# Altium PCB motor_42.PcbDoc
Units mm, origin at the board's own origin, x right, y up, seen from the top; angles counter-clockwise.
Board outline 43.69 x 44.45 mm, 4 copper layers (Top Layer, Signal2, GND3, Bottom Layer), stack 0.603 mm thick; 53 components, 79 nets, 215 pads, 167 vias.
Unrouted connection lines stored in the file: 39.
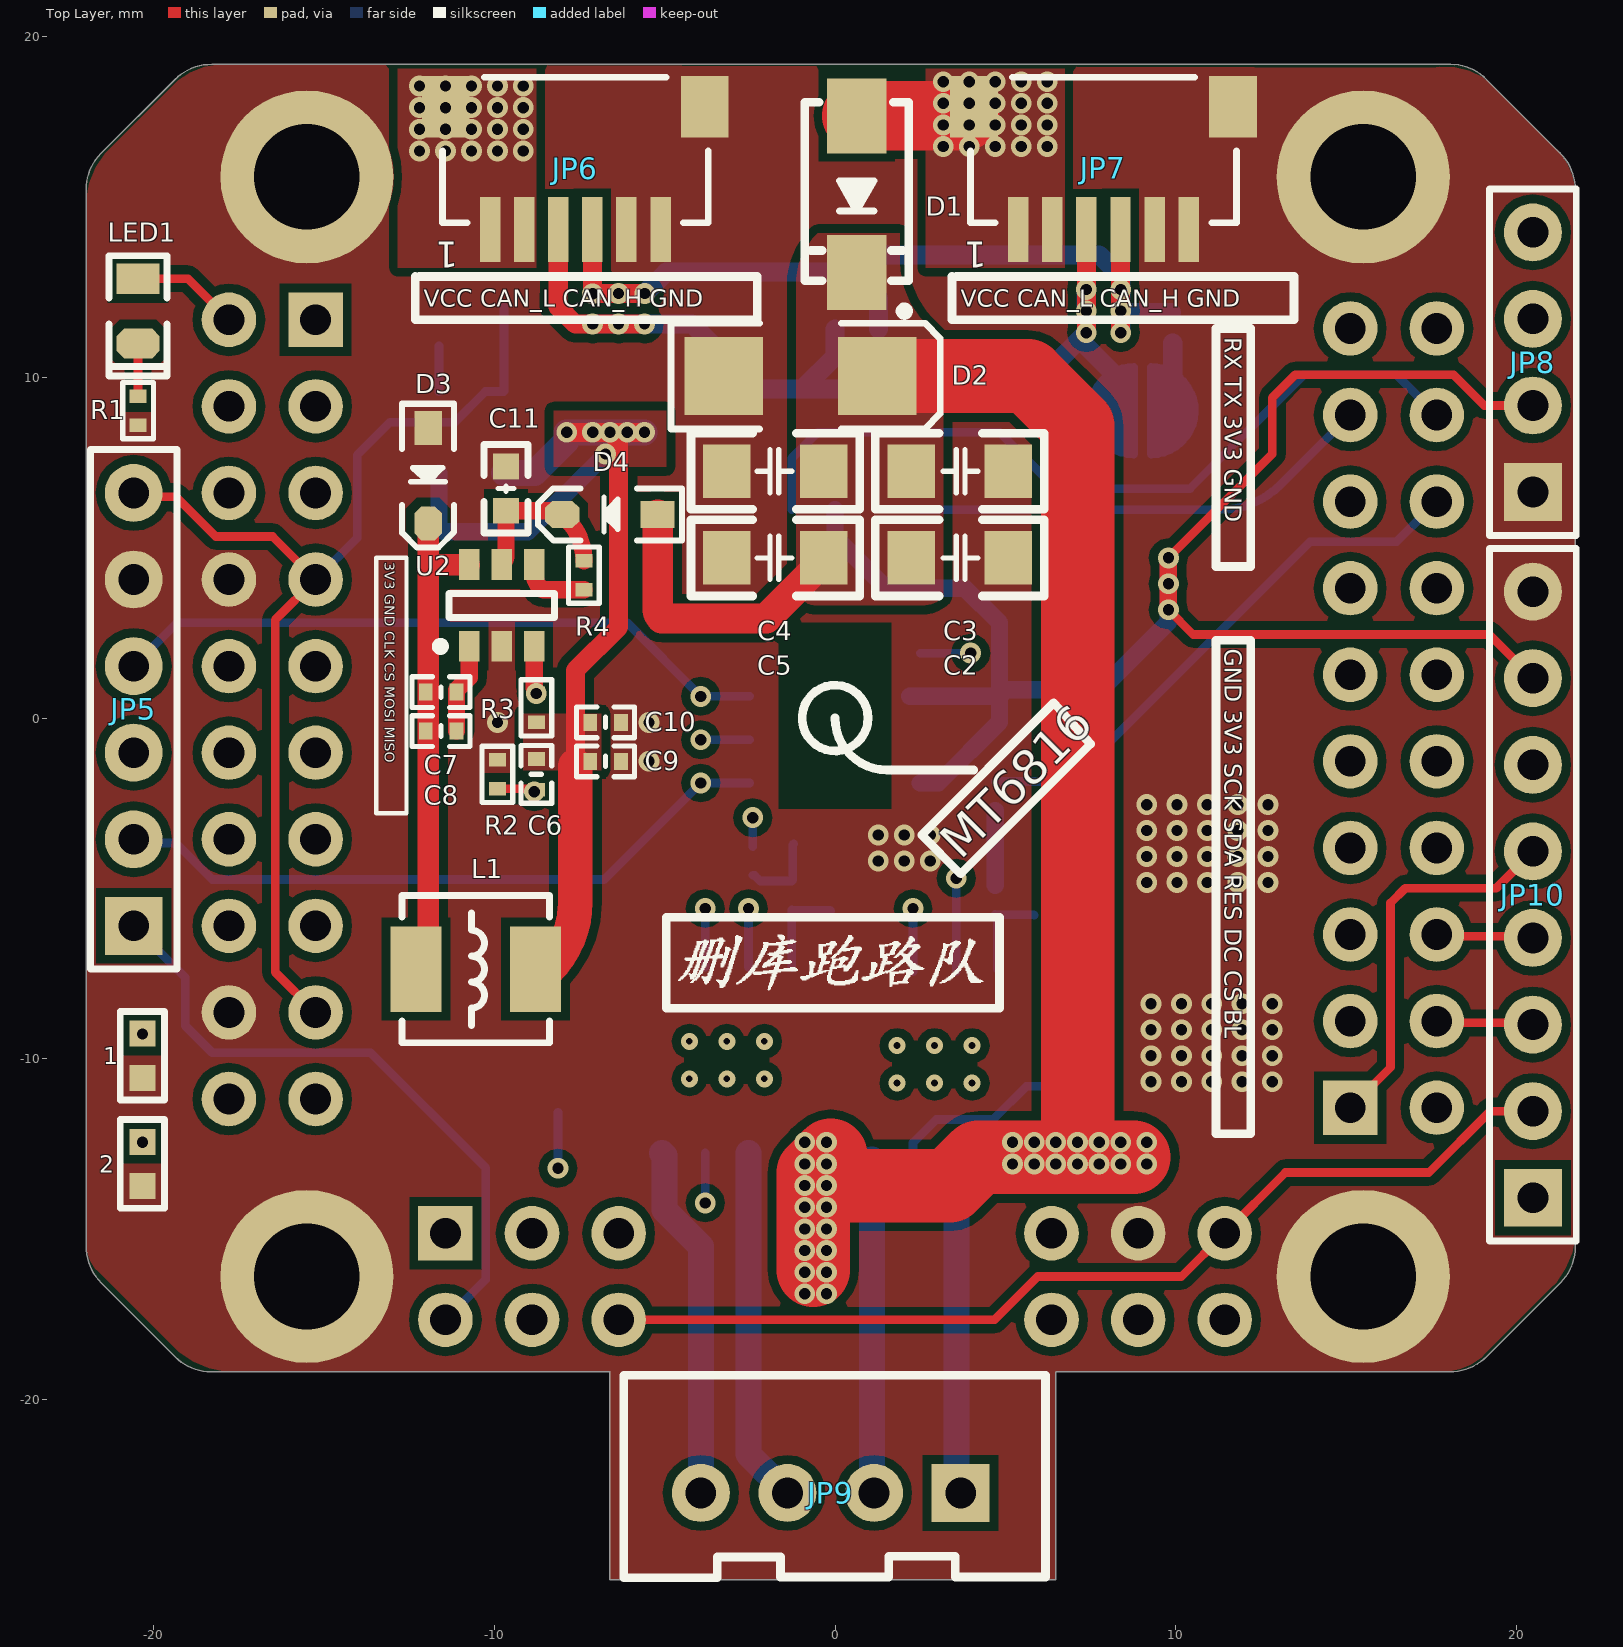
[diagram p0: Top Layer view]
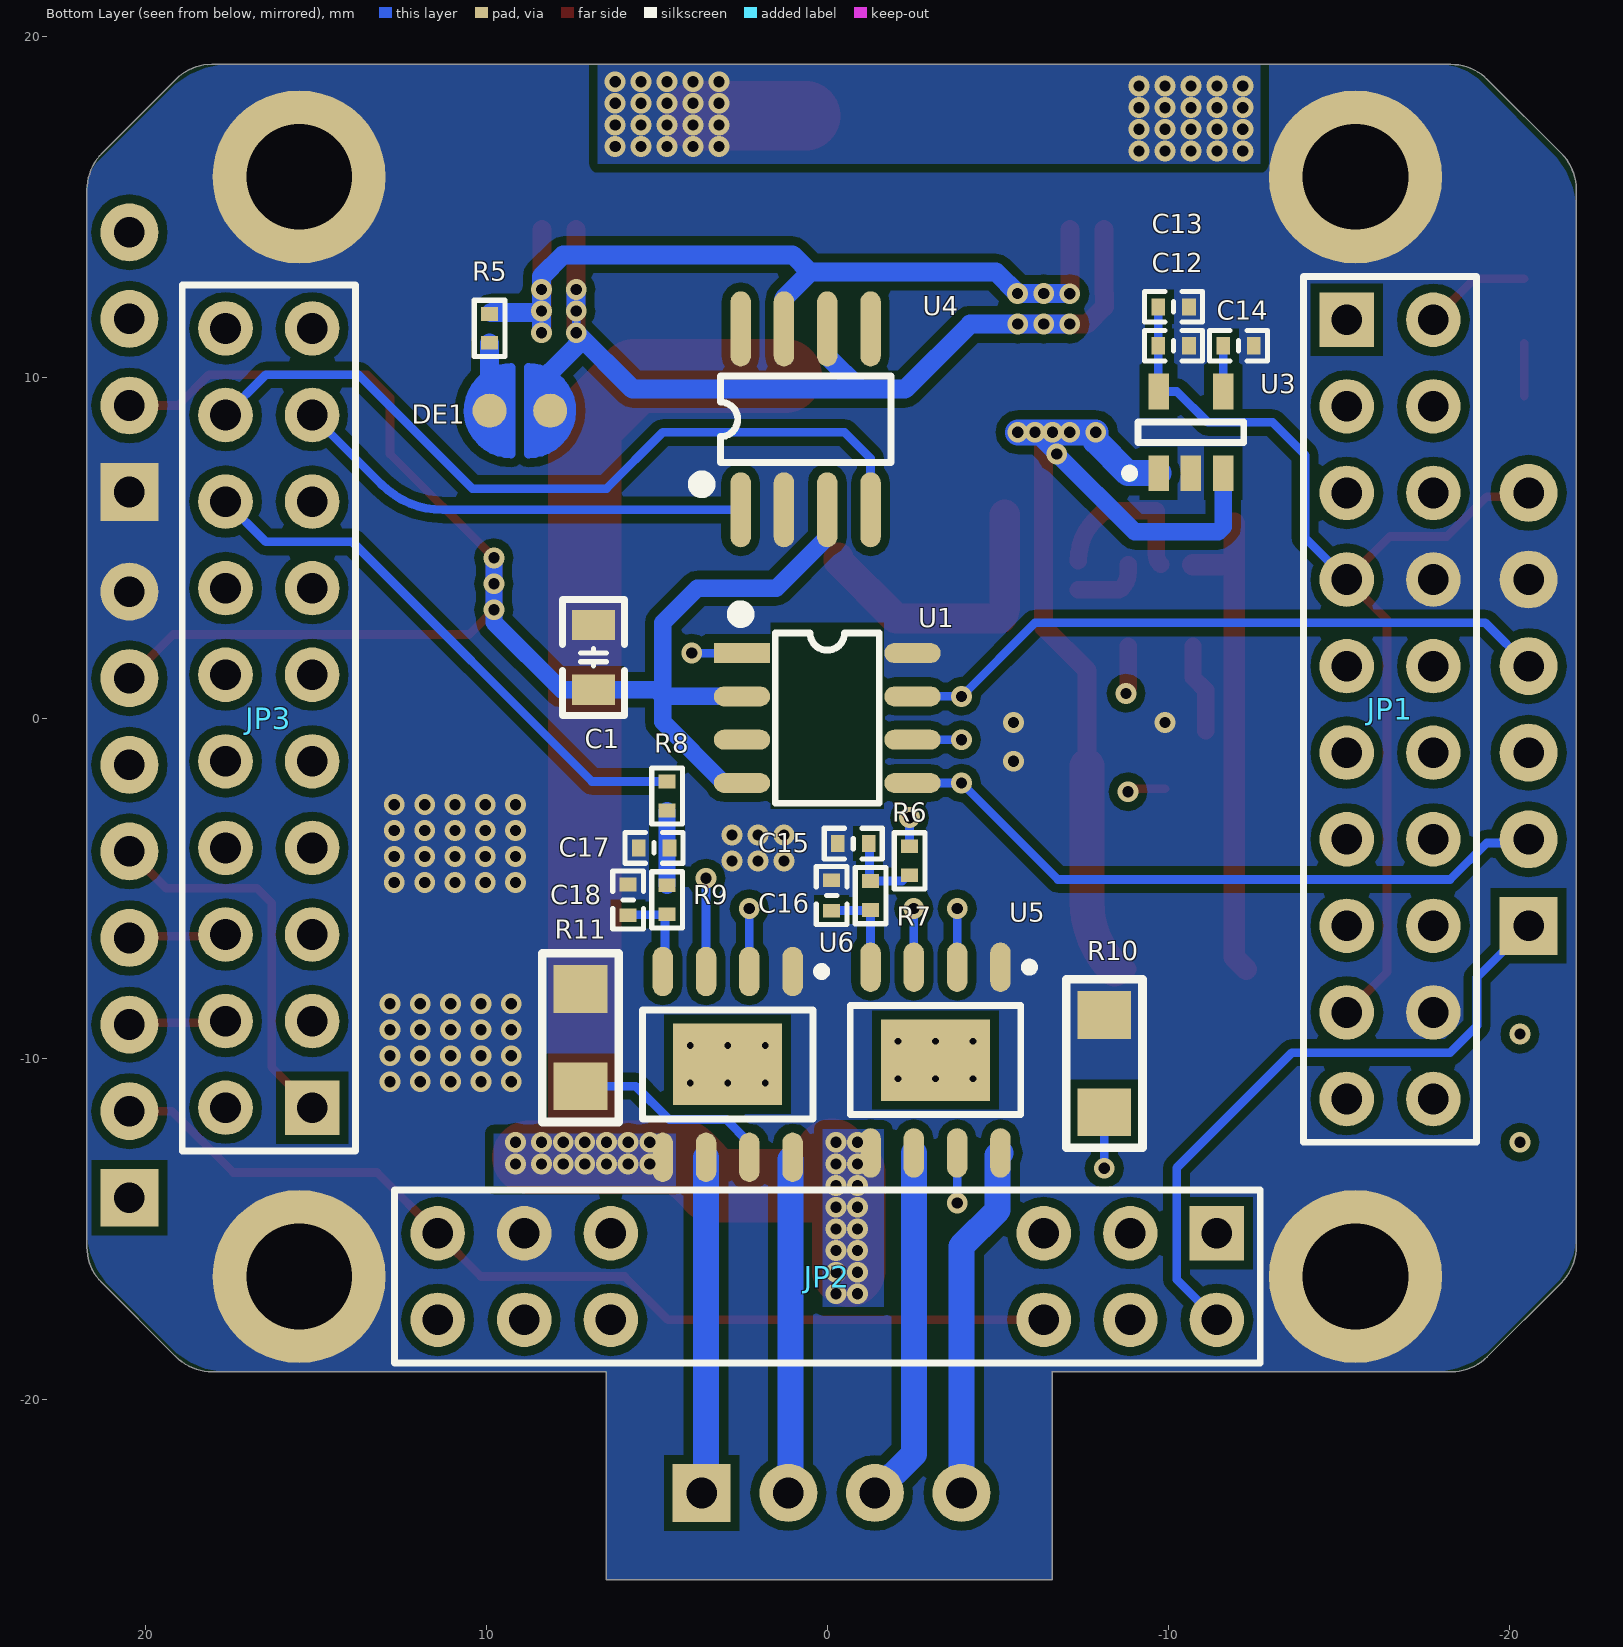
[diagram p1: Bottom Layer view, seen from below]
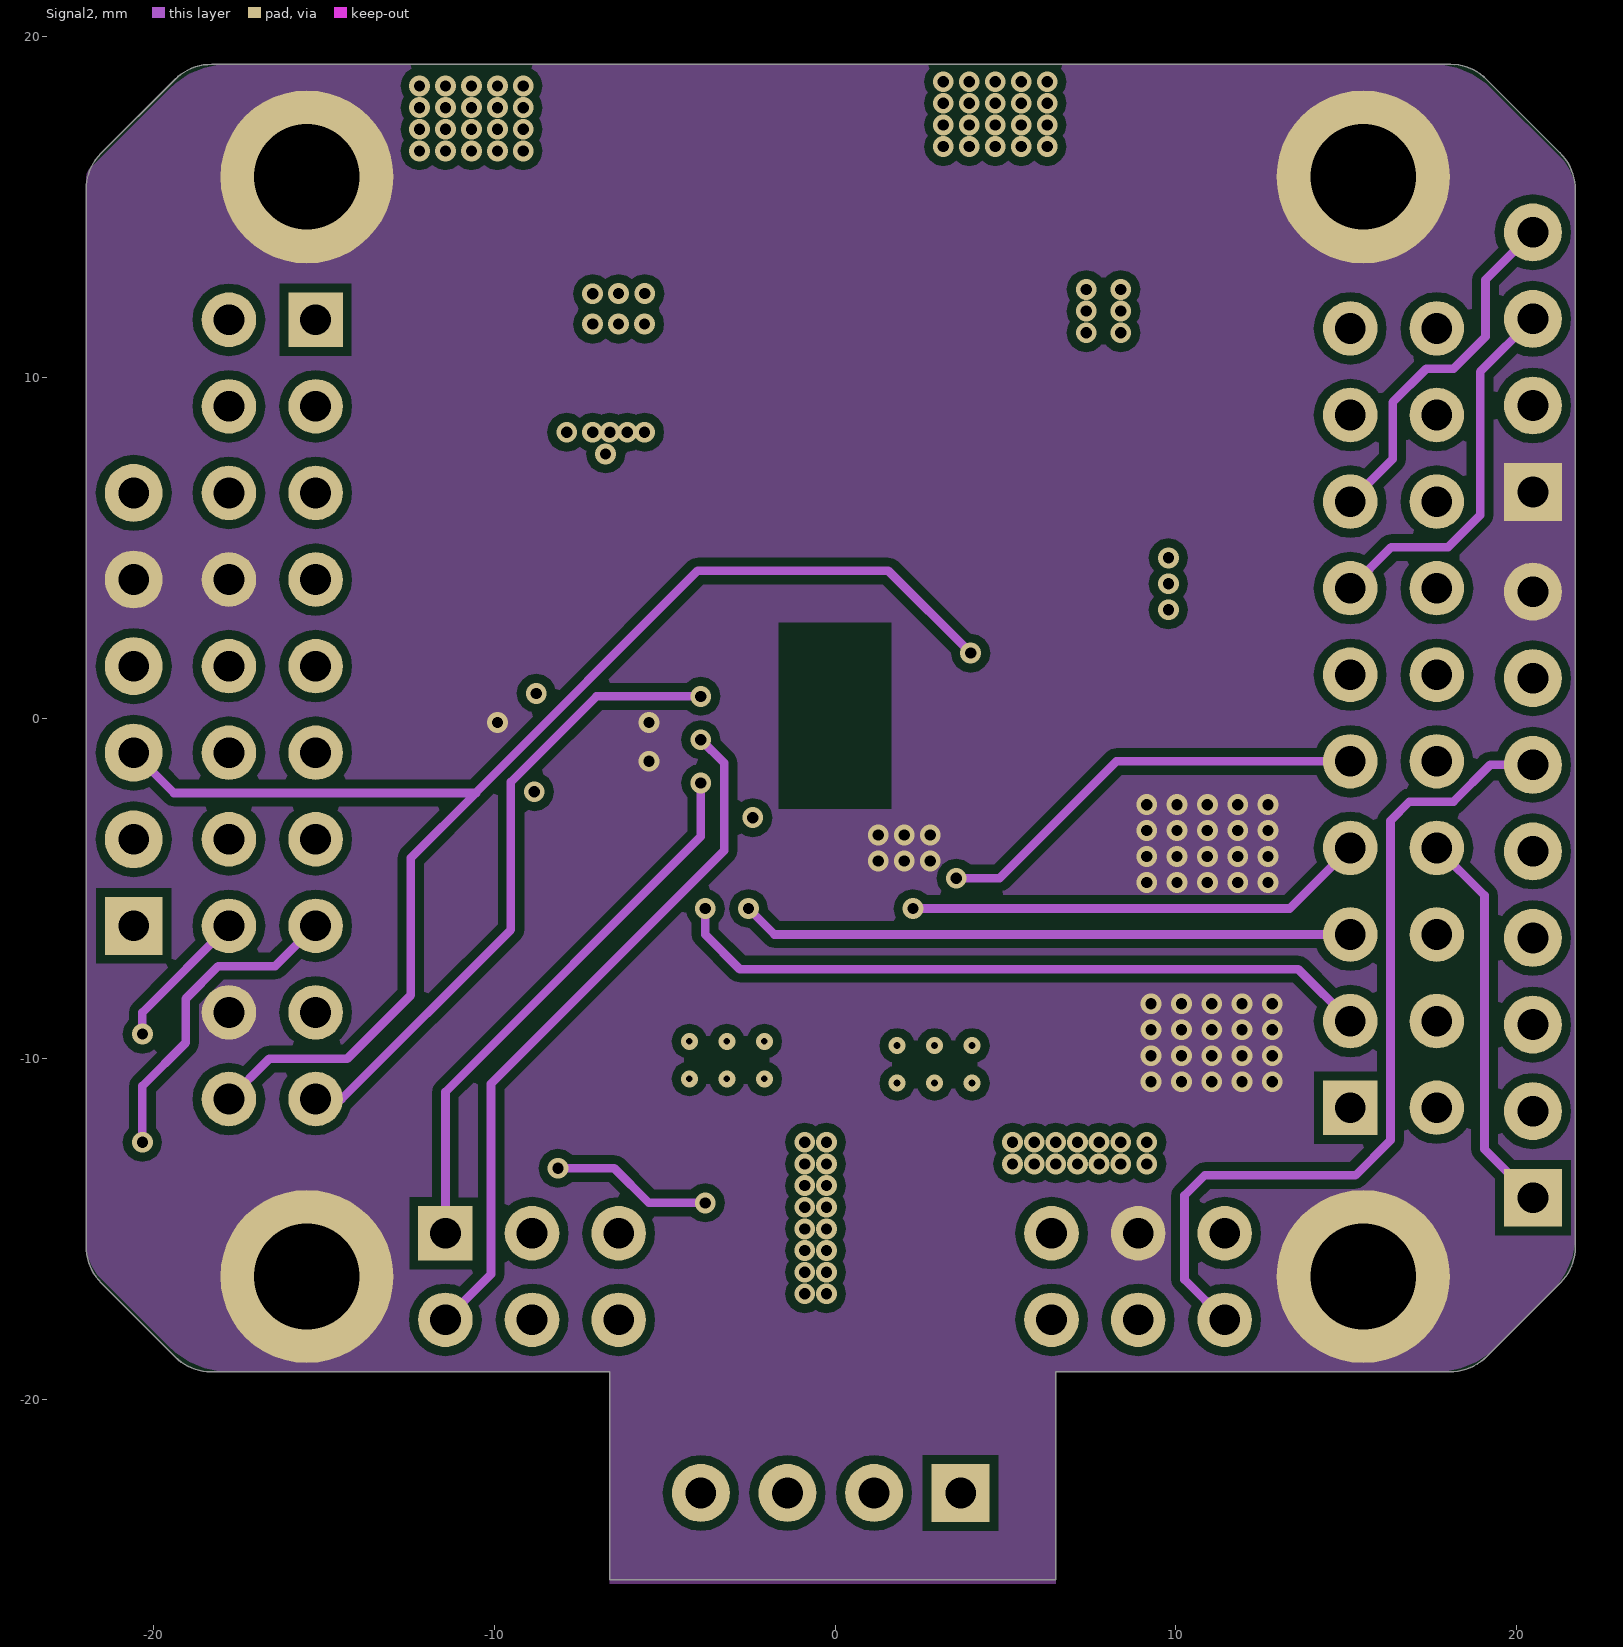
[diagram p2: Signal2]
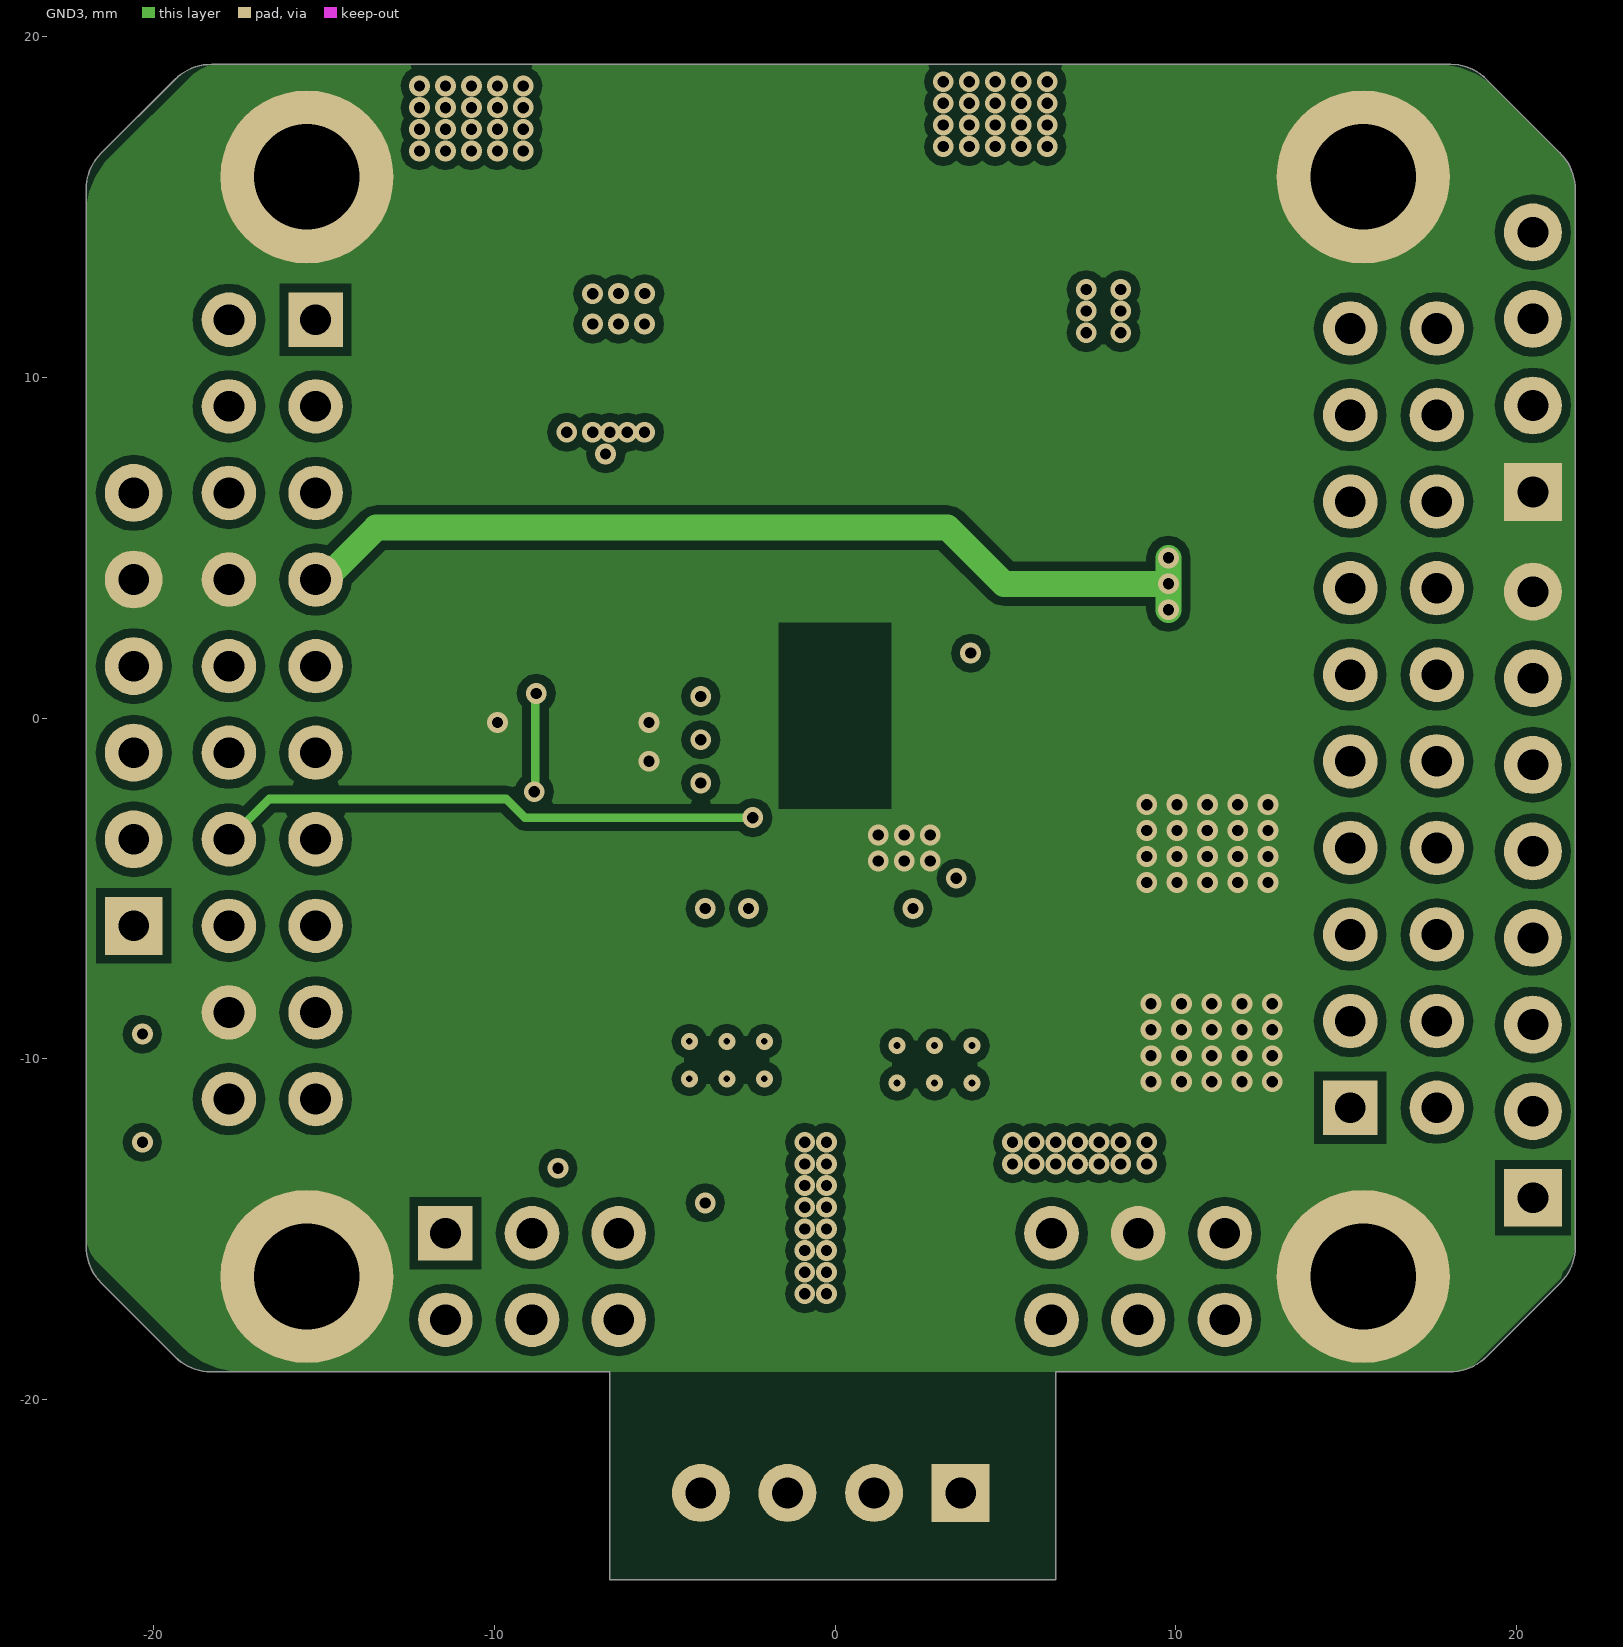
[diagram p3: GND3]
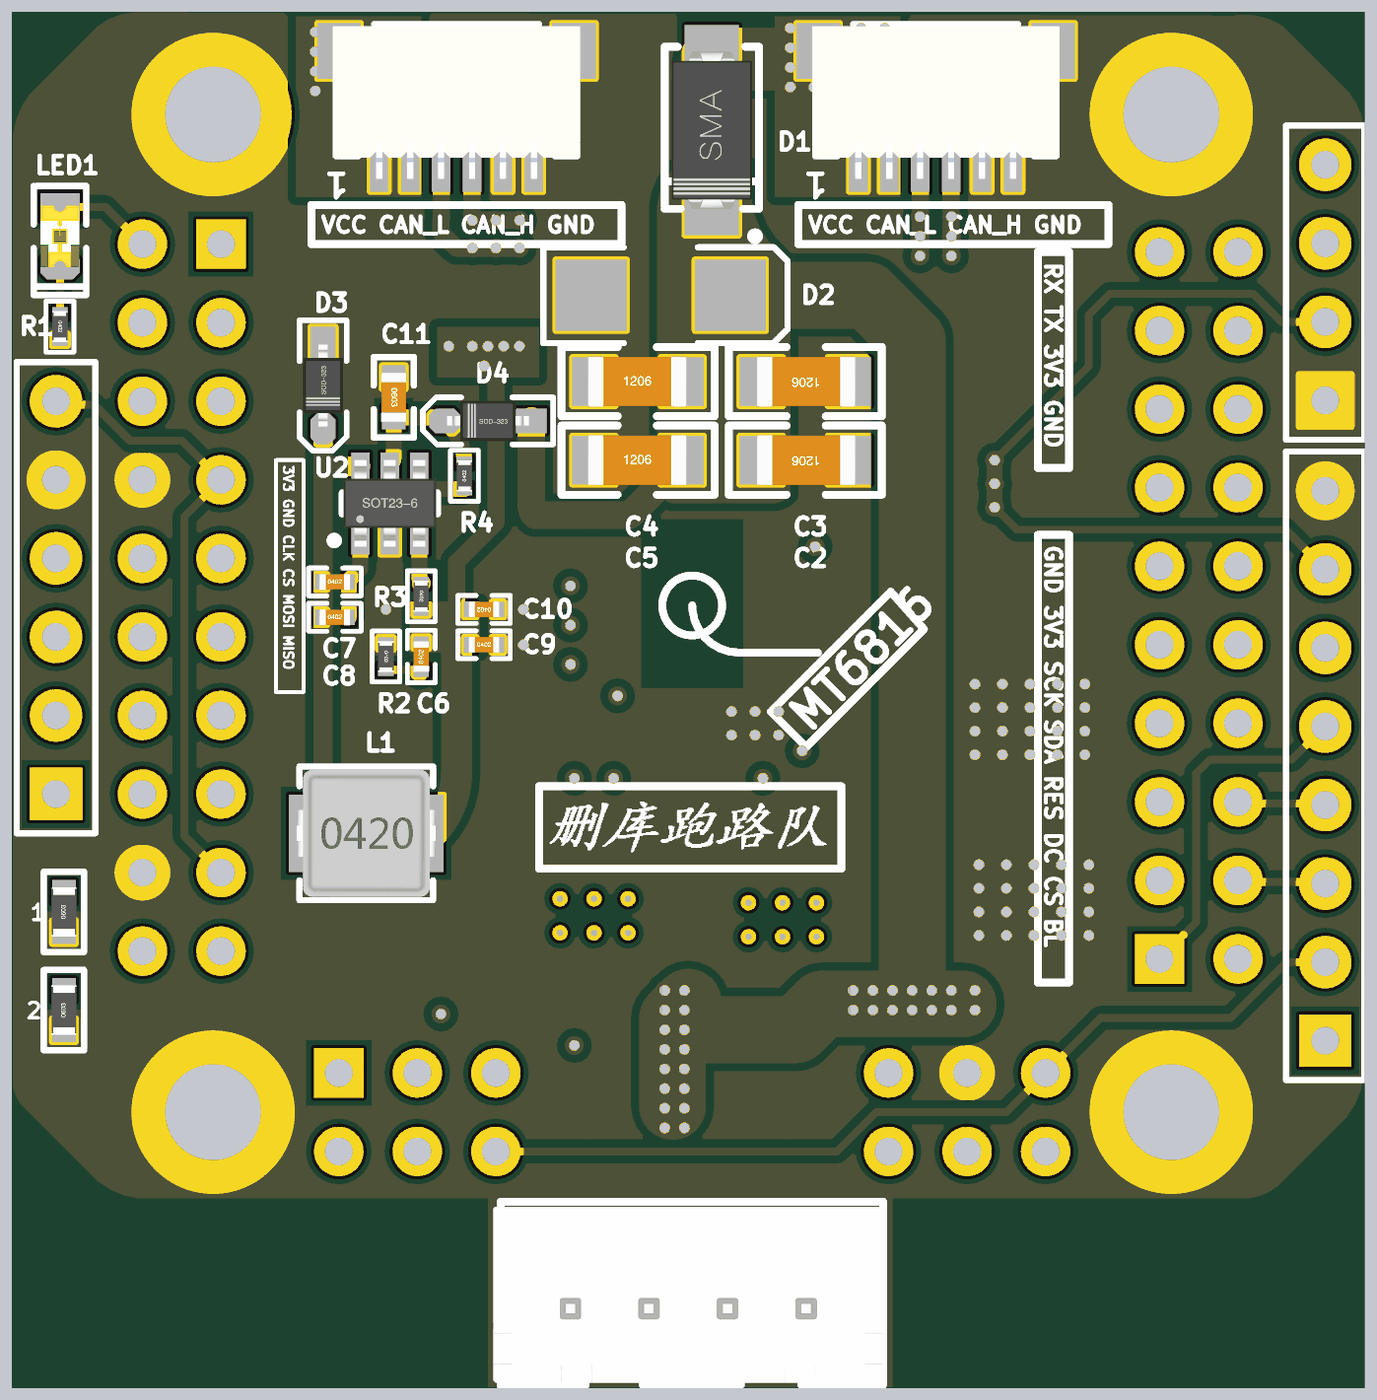
[diagram p4: 3D render of the assembled board from above, using the file's embedded part models]
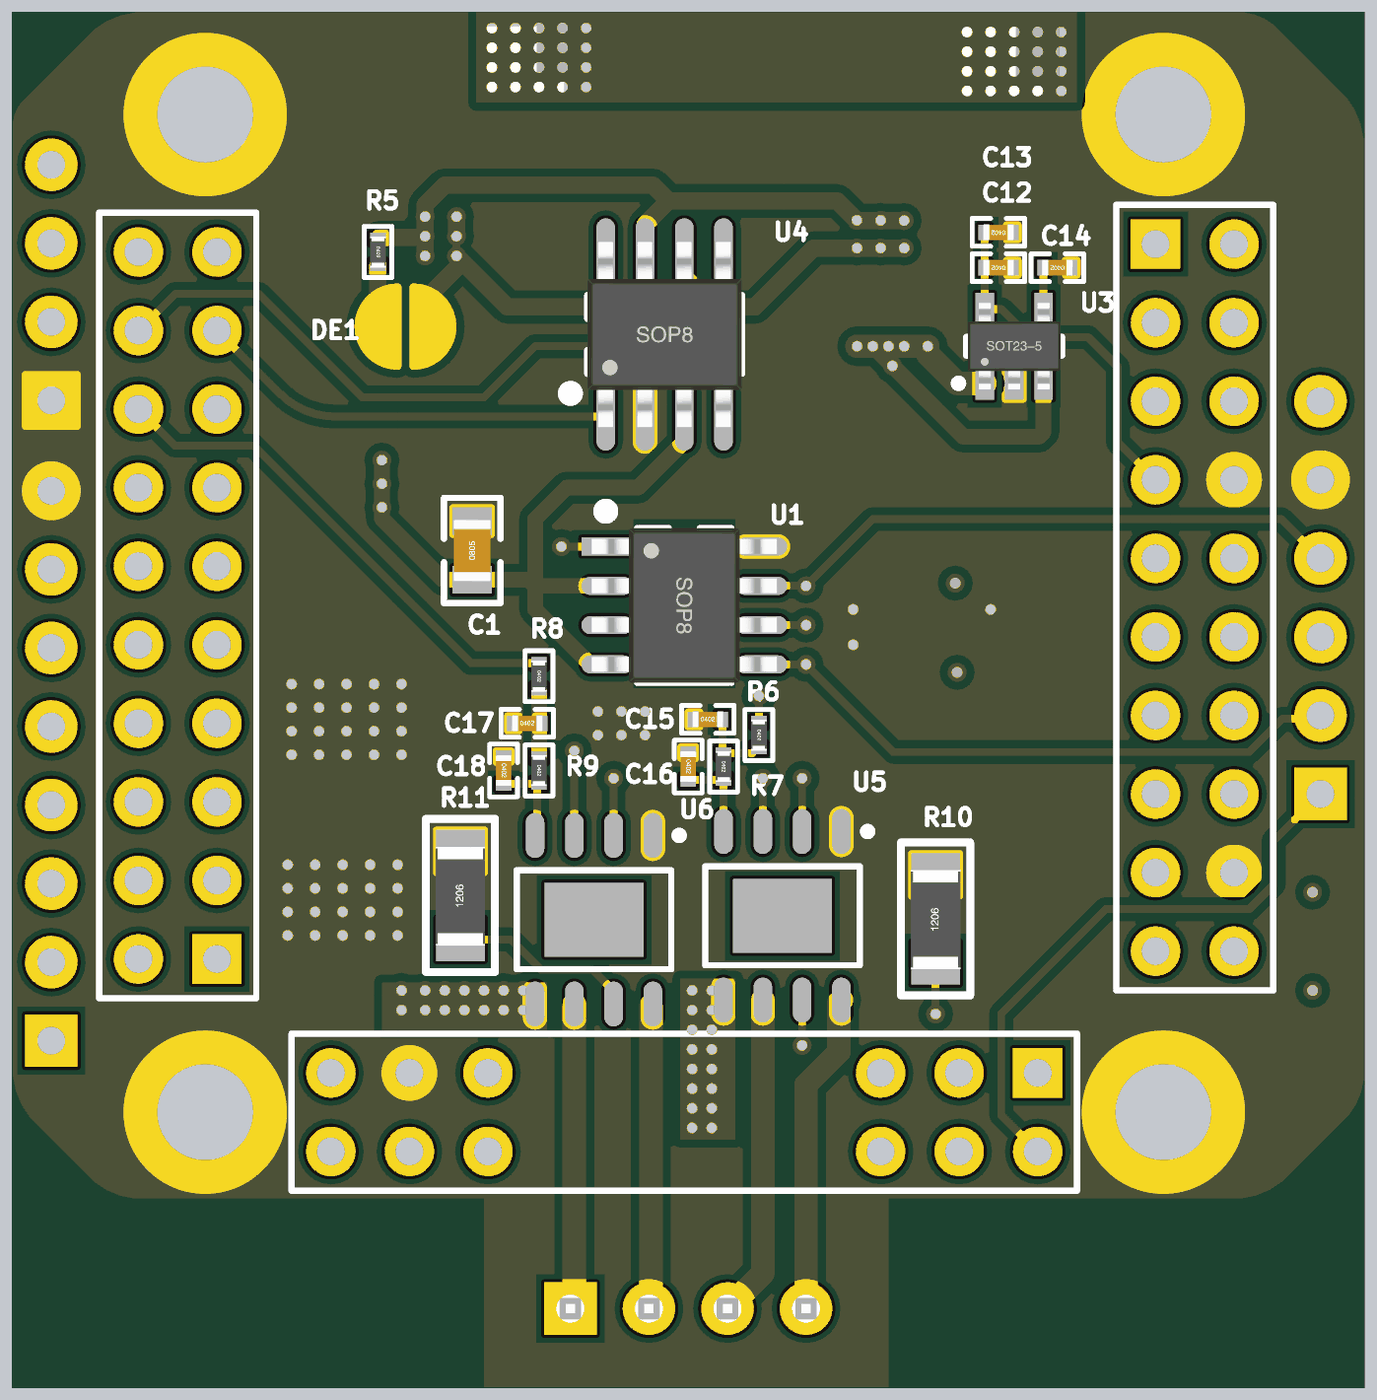
[diagram p5: 3D render of the assembled board from below, using the file's embedded part models]

## Layer stack, top to bottom
Top Solder: solder mask 0.0102, Solder Resist, Dk 3.5
Top Layer: signal copper 0.0356
Dielectric 2: prepreg 0.0711, PP-006, Dk 4.1
Signal2: signal copper 0.035
Dielectric 1: dielectric 0.32, FR-4, Dk 4.8
GND3: signal copper 0.035
Dielectric 3: prepreg 0.0711, PP-006, Dk 4.1
Bottom Layer: signal copper 0.0356
Bottom Solder: solder mask 0.0102, Solder Resist, Dk 3.5

## Board outline
-19.354,-18.746 -21.522,-16.578 cw(c-20.438,-15.494) -21.971,-15.494 -21.971,15.519 cw(c-20.499,15.519) -21.54,16.56 -19.372,18.728 cw(c-18.288,17.644) -18.288,19.177 18.059,19.177 cw(c18.059,17.705) 19.1,18.746 21.268,16.578 cw(c20.184,15.494) 21.717,15.494 21.717,15.519 21.717,-15.494 21.717,-15.519 cw(c20.245,-15.519) 21.286,-16.56 19.118,-18.728 cw(c18.034,-17.644) 18.034,-19.177 6.477,-19.177 6.477,-25.273 -6.523,-25.273 -6.604,-25.273 -6.604,-19.177 -18.313,-19.177 cw(c-18.313,-17.705)
